# Altium PCB MOTHER_BOARD_LS1021_v1.0.PcbDoc (part 4 of 15)
Units mm, origin at the board's own origin, x right, y up, seen from the top; angles counter-clockwise.
Board outline 285 x 90.6 mm, 10 copper layers (TOP, GND1, SIGNAL1, GND+PWR1, POWER1, POWER2, GND+PWR2, SIGNAL2, GND2, BOTTOM), stack 1.739 mm thick; 1099 components, 832 nets, 4657 pads, 2737 vias.
Unrouted connection lines stored in the file: 7.
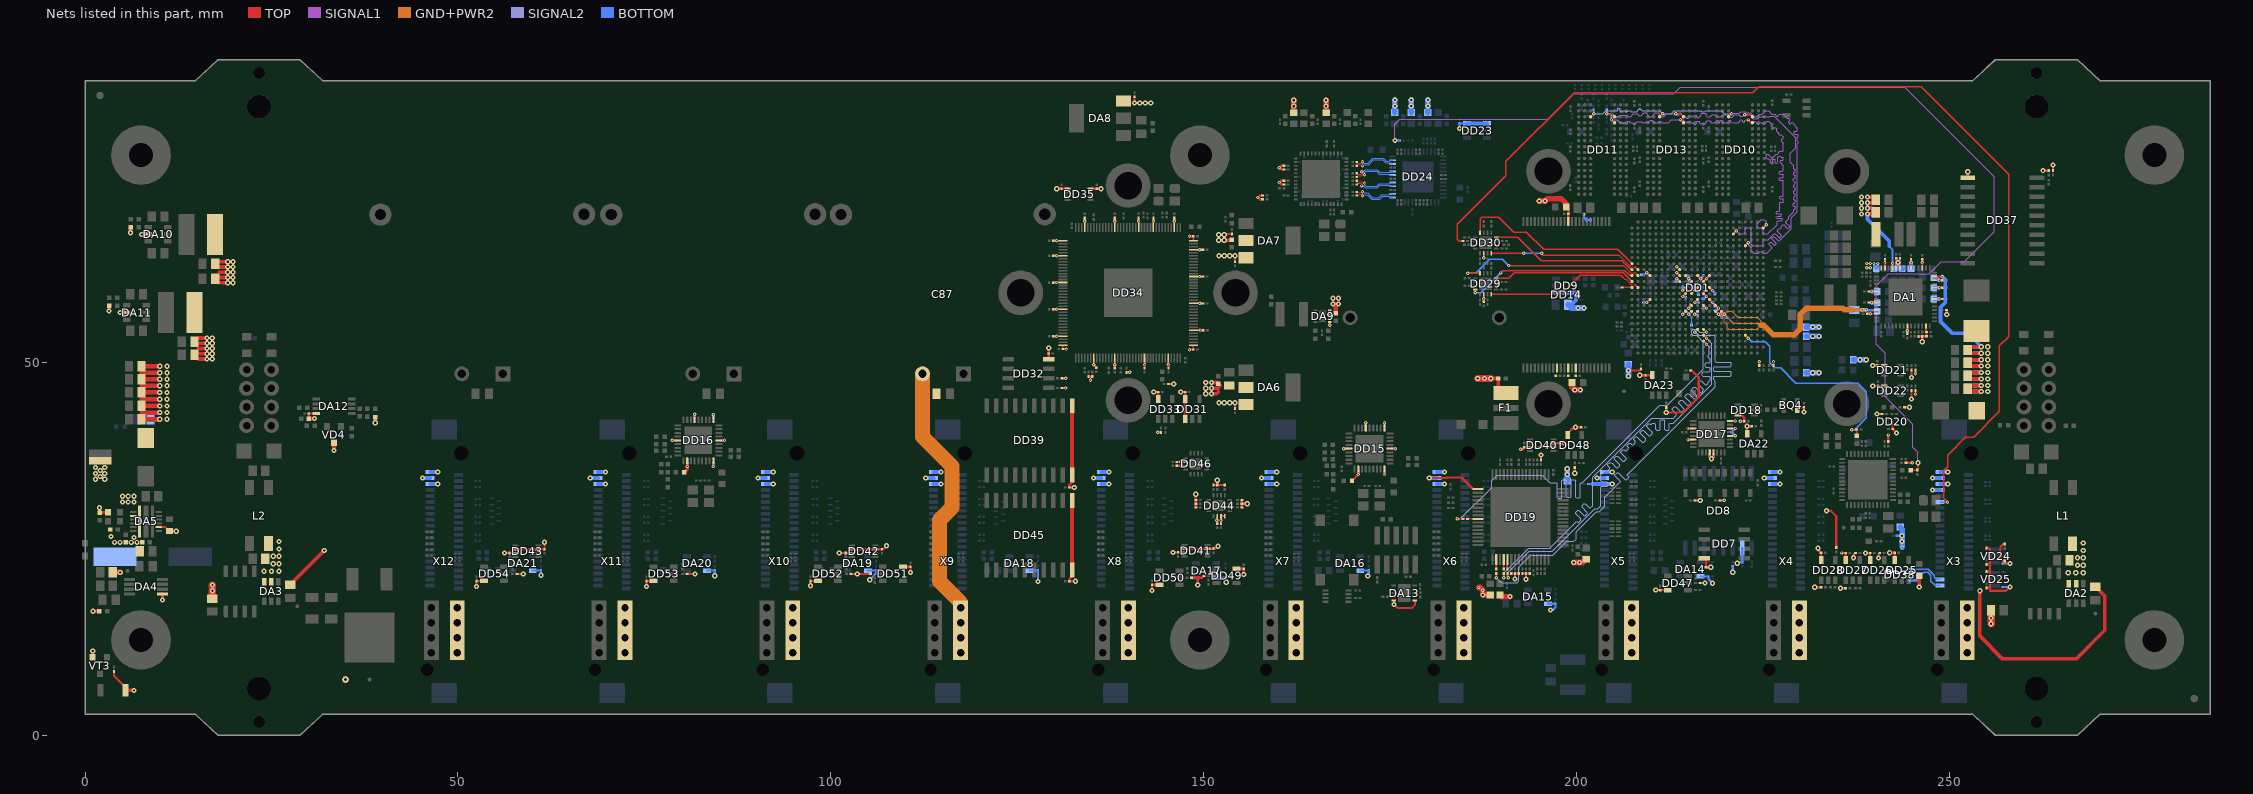
[diagram p12: the nets of this part, all layers, seen from the top]

## Via types
v1: diameter 0.45, hole 0.2, TOP to BOTTOM, tented both sides, 1587 vias
v2: diameter 0.7, hole 0.3, TOP to BOTTOM, tented both sides, 1134 vias
v3: diameter 0.45, hole 0.2, TOP to BOTTOM, tented bottom, 16 vias

## Nets (pads, with @x,y where several pads share a name; then routed paths per layer and width w, separated by ;. In a path a pad name is that pad's centre, name@x,y a point inside that pad or via, vN(x,y) a via of type N, cw(c..) or ccw(c..) an arc to the next point about the centre after c; other vN are vias at no path point) (continued)
+1V5: C75.2 C375.2 C378.2 C381.2 C384.2 C387.2 C393.2 C395.2 C398.2 DA7.2 DD34.32 DD34.37 DD34.72 DD34.75 DD34.82 DD34.105 DD34.109 DD34.144 R17.2 | length 11.9
  TOP w0.2: v1(130.275,66.325) DD34.109@131.125,66.325 ; C381.2@131.125,51.8 DD34.144@131.125,52.325 ; DD34.105@134.075,68.075 v1(134.075,68.925) ; DD34.82@143.275,68.075 v1(143.275,68.925) ; v1(145.275,49.725) DD34.32@145.275,50.575 ; DD34.75@146.075,68.075 v1(146.075,68.925) ; C375.2@148.625,51.725 DD34.37@148.625,52.325 ; DD34.72@148.625,66.325 C378.2@148.625,66.925
  TOP w0.3: C384.2@129.825,66.325 v1(130.275,66.325) ; C381.2@131.125,51.8 v1(131.6,51.8) ; v1(134.075,68.925) C398.2@134.075,69.375 ; v1(143.275,68.925) C393.2@143.275,69.375 ; C395.2@145.275,49.25 v1(145.275,49.725) ; v1(146.075,68.925) C387.2@146.075,69.375 ; v1(148.1,51.725) C375.2@148.625,51.725 ; v1(148.1,66.925) C378.2@148.625,66.925 ; v2(152.775,67.125) 152.875,67.225 R17.2@153.8,67.225
  TOP w0.5: v2(152.775,66.375) 153.75,66.375 C75.2@153.8,66.425
  other v2: 152.025,66.375 152.025,67.125
+1V8: C74.2 C302.1 C392.2 DA6.2 DD17.28 DD17.30 DD34.24 L32.1 R16.2 X3.33 | length 10.1
  TOP w0.2: v1(142.075,49.725) DD34.24@142.075,50.575
  TOP w0.3: C392.2@142.075,49.25 v1(142.075,49.725) ; DD17.28@220.6,40.15 v1(221.3,40.15) ; DD17.30@220.6,41.15 v1(221.3,41.15)
  TOP w0.5: v2(151.05,45.8) 151.75,45.8 151.975,46.025 ; v2(151.05,46.55) 151.975,46.55 ; v2(151.05,47.3) 151.825,47.3 C74.2@151.975,47.15 C74.2@152.225,46.9
  BOTTOM w0.3: v1(221.3,40.15) 220.85,40.6 C302.1@220.85,40.65 220.85,40.7 v1(221.3,41.15)
  BOTTOM w0.5: v2(247.75,32.9) X3.33@248.775,32.9
  BOTTOM w0.75: L32.1@177.85,83.525 v2(177.85,84.4) v2(177.85,85.2)
  other v2: 150.3,45.8 150.3,46.55 150.3,47.3
+2V5: C86.1 C89.1 C90.2 C91.2 C363.1 C366.1 C369.1 C370.1 C396.1 C399.1 C401.1 C511.1 C512.1 C513.1 C514.1 C515.1 C517.1 C519.1 C520.1 C521.1 C522.1 C523.1 C524.1 C525.1 C526.1 C527.1 C528.1 DA12.8 DD25.5 DD28.5 DD31.1 DD31.5 DD33.5 DD34.87 DD34.95 DD35.1 DD37.1 DD39.1 DD39.20 DD40.7 DD41.7 DD42.7 DD43.7 DD44.14 DD45.1 DD45.20 DD46.14 DD47.5 DD48.5 DD49.5 DD50.5 DD51.5 DD52.5 DD53.5 DD54.5 L10.2 L30.1 L31.1 L34.1 R5.2 R6.2 R25.1 R34.2 R65.1 R78.2 R216.1 R218.1 R220.1 R240.2 R243.2 R245.1 R268.1 R275.1 R283.1 R284.1 R285.1 R286.1 R287.1 R289.1 R297.1 R314.1 R320.2 R321.2 R322.2 R323.2 R324.2 R325.2 R326.2 R327.2 R328.1 R330.1 R332.1 R334.1 R347.1 R349.1 R351.1 R353.1 R371.1 VD4.3 X3.35 X4.35 X5.35 X6.35 X7.35 X8.35 X9.35 X10.35 X11.35 X12.35 | length 154.2
  TOP w0.2: DD34.95@138.075,68.075 v1(138.075,68.925) ; DD34.87@141.275,68.075 v1(141.275,68.925)
  TOP w0.25: v1(146.932,36.702) 146.984,36.65 DD46.14@147.6,36.65 ; v1(151.757,28.826) 151.825,28.894 DD44.14@151.825,29.4
  TOP w0.3: C91.2@30,42.475 C90.2@30,43.15 DA12.8@30.975,43.15 ; v2(52.5,19.95) C528.1@52.5,20.7 DD54.5@53.5,20.7 ; v2(56.25,24.45) C515.1@56.9,24.45 DD43.7@57.725,24.45 ; R353.1@57.925,21.65 v2(58.75,21.65) ; v2(75.3,19.95) C527.1@75.3,20.7 DD53.5@76.25,20.7 ; R351.1@80.7,21.65 v2(81.8,21.65) ; v2(97.3,20.05) C526.1@97.3,20.7 DD52.5@98.275,20.7 ; v2(101.15,24.45) C514.1@102.025,24.45 DD42.7@102.875,24.45 ; R349.1@102.7,21.65 v2(103.55,21.65) R347.1@105.3,21.65 ; DD51.5@109.675,22.6 C525.1@110.7,22.6 v2(110.7,21.825) ; v2(130.3,73.3) C401.1@130.95,73.3 DD35.1@131.75,73.3 ; DD45.20@132.365,22.175 132.365,21.34 132,20.975 C517.1@132,20.65 v2(132.825,20.65) ; DD39.20@132.365,34.9 132.365,33.94 131.975,33.55 C511.1@131.975,33.225 v2(132.65,33.225) ; v1(138.075,68.925) C396.1@138.075,69.375 ; R275.1@139.675,48.675 v1(140.1,48.675) ; v1(141.275,68.925) C399.1@141.275,69.375 ; v2(143.075,19.425) C524.1@143.075,20.175 DD50.5@144.075,20.175 ; v2(143.325,46.025) C369.1@143.925,46.025 DD33.5@143.925,45.1 ; v1(143.85,40.625) R268.1@144.3,40.625 ; v2(145.9,24.525) C513.1@146.55,24.525 DD41.7@147.425,24.525 ; C520.1@146.4,36.65 146.925,36.65 146.932,36.657 v1(146.932,36.702) ; v2(146.925,46.025) C370.1@147.55,46.025 DD31.5@147.55,45.1 ; R334.1@148.4,21.125 149.225,21.125 ; R314.1@148.95,30.55 v2(148.95,32.325) ; v2(149.225,20.15) 149.225,21.125 ; R332.1@150.05,21.375 149.8,21.125 149.225,21.125 ; R325.2@151.325,33.575 R324.2@151.825,33.575 ; v1(151.757,28.826) 151.824,28.826 151.825,28.825 C519.1@151.825,28.375 ; v2(151.825,34.2) R324.2@151.825,33.575 ; R323.2@152.825,33.575 R324.2@151.825,33.575 ; DD49.5@154.425,22.325 C523.1@155.375,22.325 v2(155.375,21.55) ; R320.2@155.125,30.55 R321.2@155.125,31.05 ; R322.2@155.125,31.55 R321.2@155.125,31.05 ; v2(155.85,31.05) R321.2@155.125,31.05 ; R289.1@157.875,71.875 157.525,71.875 v1(157.275,72.125) 157.525,72.375 R287.1@157.875,72.375 ; R283.1@160.75,73.875 160.4,73.875 v1(160.15,74.125) 160.4,74.375 R284.1@160.75,74.375 ; R285.1@160.75,75.875 160.4,75.875 v1(160.15,76.125) 160.4,76.375 R286.1@160.75,76.375 ; DD40.7@196.9,39.175 C512.1@197.775,39.175 ; C512.1@197.775,39.175 v1(198.201,39.175) ; DD48.5@198.825,40.275 198.825,40.5 199.548,41.223 199.798,41.223 v2(199.875,41.3) C522.1@200.625,41.3 ; v2(199.775,35.15) R330.1@199.775,35.925 ; v2(210.625,19.475) C521.1@211.25,19.475 DD47.5@212.25,19.475 ; R65.1@215.875,31.5 v2(216.6,31.5) ; R328.1@216.55,20.425 v2(217.225,20.425) ; v2(231.945,19.845) R245.1@232.816,19.845 ; v2(232.4,25.075) 232.4,24.862 C366.1@232.791,24.47 DD28.5@232.791,23.509 ; v2(237.15,23.8) 237.15,24.2 R243.2@237.4,24.45 ; v2(240.3,43.1) R220.1@241,43.1 ; v2(240.5,23.775) 240.5,24.275 R240.2@240.675,24.45 ; v2(242,24.475) C363.1@242.675,24.475 DD25.5@242.675,23.5 ; v2(244.925,45.1) R218.1@244.925,46.25 ; v2(244.925,48) R216.1@244.925,49 ; DD37.1@252.475,74.765 v2(252.475,75.575) ; v2(262.575,75.725) R297.1@263.325,75.725
  TOP w0.5: v2(3.225,56.9) R34.2@3.225,57.625 ; C86.1@15.225,50.475 v2(16.35,50.475) ; C86.1@15.225,51.175 v2(16.35,51.175) ; 15.225,51.875 v2(16.35,51.875) ; C89.1@15.225,52.575 v2(16.35,52.575) ; C89.1@15.225,53.275 v2(16.35,53.275) ; R6.2@27.5,20.2 v2(32.075,24.775) ; C91.2@30,42.475 v2(30.75,42.475) ; v2(33.375,38.2) VD4.3@33.375,39.225 ; v2(38.9,41.925) R25.1@38.9,42.675 ; DD45.20@132.365,22.175 DD45.1@132.365,31.475 ; DD39.20@132.365,34.9 DD39.1@132.365,44.2 ; DD31.1@147.55,42.4 DD31.5@147.55,45.1 ; v1@198.191,39.15 198.291,39.05 v1(198.675,39.05) ; v2(254.1,19.387) 254.1,13.3 257.15,10.25 267.025,10.25 270.85,14.075 270.85,18.675 R5.2@269.6,19.925
  TOP w0.75: L34.1@162.075,83.5 v2(162.075,84.375) v2(162.075,85.175)
  BOTTOM w0.3: R371.1@201.6,33.7 202.025,33.7 ; v2(220.95,21.875) R78.2@220.95,22.65
  BOTTOM w0.5: X12.35@46.275,33.7 v2(47.3,33.7) ; X11.35@68.775,33.7 v2(69.8,33.7) ; X10.35@91.275,33.7 v2(92.3,33.7) ; X9.35@113.775,33.7 v2(114.8,33.7) ; X8.35@136.275,33.7 v2(137.3,33.7) ; X7.35@158.775,33.7 v2(159.8,33.7) ; X6.35@181.275,33.7 v2(182.3,33.7) ; 202.149,33.701 X5.35@203.775,33.7 v2(204.8,33.7) ; X4.35@226.275,33.7 v2(227.3,33.7) ; X3.35@248.775,33.7 v2(249.8,33.7)
  BOTTOM w0.75: L31.1@175.65,83.525 v2(175.65,84.4) v2(175.65,85.2) ; L30.1@180.075,83.525 v2(180.075,84.4) v2(180.075,85.2)
  other v2: 17.05,50.475 17.05,51.175 17.05,51.875 17.05,52.575 17.05,53.275
+3V3: BQ4.4 C1.2 C2.2 C7.1 C8.2 C9.2 C10.2 C11.2 C12.2 C13.2 C16.2 C17.2 C18.2 C19.2 C20.1 C21.2 C22.2 C23.2 C24.2 C41.2 C42.2 C43.2 C67.1 C69.1 C70.2 C72.1 C73.2 C130.2 C144.2 C170.2 C179.2 C190.2 C208.1 C210.1 C213.2 C265.2 C266.2 C267.2 C268.2 C269.2 C270.2 C279.1 C280.1 C281.1 C282.1 C283.1 C284.1 C285.1 C286.1 C287.1 C288.1 C291.1 C292.1 C304.2 C305.1 C308.2 C310.2 C364.1 C365.1 C367.2 C368.1 C374.2 C377.2 C380.2 C383.2 C386.2 C389.2 C391.2 C394.2 C397.2 C400.2 C505.2 C516.1 C518.1 C529.1 DA1.7 DA1.10 DA1.12 DA1.17 DA1.20 DA1.23 DA1.24 DA1.27 DA1.34 DA1.37 DA1.40 DA1.50 DA1.55 DA10.5 DA11.5 DA13.1 DA13.10 DD1.J13 DD1.J14 DD1.J15 DD1.K8 DD1.L8 DD1.L9 DD7.8 DD8.2 DD9.1 DD9.5 DD14.12 DD14.34 DD14.37 DD14.39 DD15.5 DD15.10 DD15.15 DD15.23 DD15.29 DD15.36 DD16.5 DD16.10 DD16.15 DD16.23 DD16.29 DD16.36 DD17.20 DD17.21 DD18.5 DD19.49 DD26.5 DD27.5 DD29.14 DD30.14 DD32.8 DD34.7 DD34.14 DD34.42 DD34.51 DD34.60 DD34.69 DD34.114 DD34.123 DD34.132 DD34.141 DD35.8 DD38.8 DD44.15 DD44.16 DD46.15 L7.2 L13.2 L17.1 L26.1 L27.1 L28.1 L29.1 L35.1 R1.2 R2.2 R3.1 R4.2 R14.2 R47.2 R54.2 R64.1 R125.1 R126.1 R161.1 R162.1 R173.2 R174.1 R177.2 R179.1 R197.2 R198.2 R199.2 R203.1 R204.1 R206.1 R208.1 R217.1 R219.1 R221.1 R238.1 R239.1 R270.1 R271.1 R272.1 R273.1 R278.2 R291.1 R292.1 R293.1 R294.1 R295.1 R296.1 R298.1 VD24.5 VD25.5 X3.37 X4.37 X5.37 X6.37 X7.37 X8.37 X9.37 X10.37 X11.37 X12.37 | length 204.5
  TOP w0.2: v1(130.275,53.525) DD34.141@131.125,53.525 ; v1(130.275,57.125) DD34.132@131.125,57.125 ; v1(130.275,60.725) DD34.123@131.125,60.725 ; v1(130.275,64.325) DD34.114@131.125,64.325 ; v1(135.275,49.7) DD34.7@135.275,50.575 ; v1(138.075,49.7) DD34.14@138.075,50.575 ; DD34.42@148.625,54.325 v1@149.5,54.325 ; DD34.51@148.625,57.925 v1(149.475,57.925) ; DD34.60@148.625,61.525 v1(149.475,61.525) ; DD34.69@148.625,65.125 v1(149.475,65.125)
  TOP w0.25: v1(78.75,39.55) DD16.23@79.5,39.55 ; v1(80.75,36.05) DD16.29@80.75,36.8 ; DD16.15@81.75,42.3 v1(81.75,43.05) ; v1(84.25,36.05) DD16.36@84.25,36.8 ; DD16.10@84.25,42.3 v1(84.25,43) ; DD16.5@85,39.55 v1(85.75,39.55) ; v1(147.025,36.15) DD46.15@147.6,36.15 ; v1(152.325,28.825) DD44.15@152.325,29.4 DD44.16@152.825,29.4 ; v1(168.775,38.45) DD15.23@169.5,38.45 ; v1(170.75,34.975) DD15.29@170.75,35.7 ; DD15.15@171.75,41.2 v1(171.75,41.925) ; v1(174.25,34.975) DD15.36@174.25,35.7 ; DD15.10@174.25,41.2 v1(174.25,41.925) ; DD15.5@175,38.45 v1(175.725,38.45) ; DA13.10@175.525,18.075 v2(175.525,17.55) 176.025,17.05 177.9,17.05 178.325,17.475 DA13.1@178.325,18.075 ; v1(187.575,58.575) DD29.14@187.575,59.15 ; v1(187.575,64.05) DD30.14@187.575,64.625 ; v1(239.425,56.525) DA1.40@240.25,56.525 ; v1(239.625,58.025) DA1.37@240.25,58.025 ; v1(239.625,59.525) DA1.34@240.25,59.525 ; DA1.27@241.375,62.65 v1(241.375,63.4) ; DA1.24@242.875,62.65 242.875,63.1 243.125,63.35 v2(243.125,63.4) 243.375,63.15 DA1.23@243.375,62.65 ; v1(244.375,54.275) DA1.50@244.375,54.9 ; DA1.20@244.875,62.65 v1(244.875,63.4) ; DA1.17@246.375,62.65 v1(246.375,63.4) ; DA1.55@246.875,54.9 246.875,54.15 C20.1@246.95,54.075 ; DA1.7@248,58.525 v1(248.625,58.525) ; DA1.10@248,60.025 v1(248.625,60.025) ; DA1.12@248,61.025 v1(248.625,61.025)
  TOP w0.3: DD32.8@129.225,50.405 C368.1@129.225,51.2 v2(129.225,51.95) ; C394.2@129.825,53.525 v1(130.275,53.525) ; C391.2@129.825,57.125 v1(130.275,57.125) ; C389.2@129.825,60.725 v1(130.275,60.725) ; C386.2@129.825,64.325 v1(130.275,64.325) ; R271.1@131,46.575 v1(131.5,46.575) ; R270.1@131,47.875 v1(131.5,47.875) ; R273.1@134.575,48.1 134.825,48.1 ; v1(134.825,47.6) 134.825,48.1 ; DD35.8@134.85,73.3 v2(136.25,73.3) ; R272.1@135.075,48.1 134.825,48.1 ; v1(135.275,49.7) 135.6,49.375 C400.2@135.6,49.3 ; C397.2@138.075,49.25 v1(138.075,49.7) ; R278.2@145.3,47.1 v2(146,47.1) ; C518.1@146.4,36.15 v1(147.025,36.15) ; v1(149.475,57.925) C377.2@149.925,57.925 ; v1(149.475,61.525) C380.2@149.925,61.525 ; v1(149.475,65.125) C383.2@149.925,65.125 ; v1(149.525,54.325) C374.2@149.975,54.325 ; C516.1@152.325,28.375 v1(152.325,28.825) ; R161.1@169.9,34.15 169.925,34.15 v1(170.75,34.975) ; v2(180.25,34.5) 182.599,34.5 182.674,34.575 184.575,34.575 186.125,33.025 DD19.49@186.8,33.025 ; C367.2@187.575,58.125 v1(187.575,58.575) ; R199.2@191.25,21.7 R198.2@191.75,21.7 ; v2(191.75,20.975) R198.2@191.75,21.7 ; R197.2@192.25,21.7 R198.2@191.75,21.7 ; R206.1@192.75,21.7 R204.1@193.25,21.7 ; v2(193.25,20.925) R204.1@193.25,21.7 ; R208.1@193.75,21.7 R204.1@193.25,21.7 ; R203.1@195.25,36.925 v2(195.25,37.6) ; C269.2@198.65,70.85 198.925,70.575 C267.2@198.925,69.95 198.9,69.925 DD14.12@198.9,68.9 ; v2(206.975,48.925) 208.425,48.925 R177.2@208.65,49.15 ; R173.2@212.05,43.975 v2(212.05,43.3) 214.325,43.3 216.4,45.375 216.4,47.975 215.45,48.925 R174.1@215.275,48.925 ; v1(213.45,61.25) DD1.J13@213.85,60.85 ; v1(213.45,62.05) DD1.J14@213.85,61.65 ; v1(213.45,62.85) DD1.J15@213.85,62.45 ; v1(214.25,56.45) DD1.K8@214.65,56.85 ; v1(215.05,56.45) DD1.L8@215.45,56.85 ; v1(215.05,57.25) DD1.L9@215.45,57.65 ; DD7.8@217.125,23.77 217.375,23.52 C210.1@217.375,22.55 v2(218,22.55) ; DD17.20@217.875,37.925 217.875,37.325 v2(218.125,37.075) 218.375,37.325 DD17.21@218.375,37.925 ; R64.1@219.225,31.5 v1(219.8,31.5) ; DD18.5@221.675,42.975 222.125,42.975 222.5,42.6 C308.2@222.5,42.125 v1(221.95,42.125) ; BQ4.4@229.625,43.65 229.95,43.975 C310.2@230.525,43.975 v2(230.525,43.35) ; v2(235.425,19.725) R239.1@236.1,19.725 ; v1(235.6,24.45) C365.1@236.1,24.45 DD27.5@236.1,23.5 ; v2(238.775,24.45) C364.1@239.4,24.45 239.375,24.425 DD26.5@239.375,23.5 ; C43.2@238.975,56.525 v1(239.425,56.525) ; C18.2@239.175,58.025 v1(239.625,58.025) ; C10.2@239.175,59.525 v1(239.625,59.525) ; v1(241.375,63.4) C42.2@241.375,63.85 ; R54.2@241.8,39.425 v1(241.8,40.275) ; C17.2@242.875,63.95 242.875,63.65 v2(243.125,63.4) 243.375,63.65 C9.2@243.375,63.95 ; R221.1@243.975,44 v2(244.675,44) ; R47.2@244.175,36.55 v1(245.025,36.55) ; C7.1@244.375,53.825 v1(244.375,54.275) ; v1(244.875,63.4) C19.2@244.875,63.85 ; v1(245.475,45.725) R219.1@245.475,46.25 ; v1(245.475,48.5) R217.1@245.475,49 ; R2.2@245.875,53.5 R4.2@246.375,53.5 ; v2(246.375,52.775) R4.2@246.375,53.5 ; v1(246.375,63.4) C41.2@246.375,63.85 ; C20.1@246.95,54.075 246.95,53.525 R1.2@246.925,53.5 R4.2@246.375,53.5 ; v1(248.625,58.525) C1.2@249.075,58.525 ; v1(248.625,60.025) C8.2@249.075,60.025 ; v1(248.625,61.025) C16.2@249.075,61.025 ; v2(249.65,56.425) R3.1@249.65,57.025 ; R295.1@254.975,19.775 255.45,19.775 ; R296.1@254.975,22 255.45,22 ; R291.1@254.975,25.125 255.3,25.125 255.45,24.975 255.45,22.925 ; R292.1@255,22.925 255.45,22.925 ; R294.1@257.425,25.625 257.2,25.625 256.875,25.3 256.875,23.65 257.125,23.4 R293.1@257.425,23.4 257.8,23.025 v2(258.125,23.025) ; v2(258.125,19.9) 257.6,19.375 255.475,19.375 255.45,19.4 255.45,19.775 ; R298.1@263.925,75.725 v2(263.925,76.475) ; 255.45,19.775 255.45,22 ; 255.45,22 255.45,22.925
  TOP w0.5: v2(4.7,56.7) DA11.5@5.6,56.7 ; v2(7.6,67.175) DA10.5@8.5,67.175 ; R162.1@80.325,35.25 80.75,35.675 v1(80.75,36.05) ; v2(245.975,19.875) R238.1@245.975,21.35
  TOP w0.6: C67.1@7.575,42.375 v2(10.025,42.375) ; 7.575,43.275 v2(10.025,43.275) ; C69.1@7.575,44.175 v2(10.025,44.175) ; 7.575,45.075 v2(10.025,45.075) ; C70.2@7.575,45.975 v2(10.025,45.975) ; 7.575,46.875 v2(10.025,46.875) ; C72.1@7.575,47.75 v2(10.025,47.75) ; 7.575,48.625 v2(10.025,48.625) ; C73.2@7.575,49.5 v2(10.025,49.5)
  TOP w0.75: L35.1@166.425,83.5 v2(166.425,84.375) v2(166.425,85.175) ; v1(186.9,19.825) 187.075,19.825 v1(187.45,19.45) v2(187.45,18.825) 187.95,18.825 L29.1@188.45,18.825 ; L27.1@189.75,18.825 189.975,18.6 v2(191.075,18.6) ; v2(195.025,71.65) v2(195.8,71.65) 196.125,71.975 197.95,71.975 198.65,71.275 C269.2@198.65,70.85 ; C270.2@199.4,47.325 199.4,46.7 v2(199.775,46.325) v2(200.525,46.325) ; v2(199.65,23.175) v2(200.425,23.175) 200.85,23.175 L26.1@201.3,23.625
  BOTTOM w0.14: v1(215.05,56.45) 215.445,56.055 215.445,54.995 R179.1@215.425,54.975
  BOTTOM w0.3: v1(78.75,39.55) C280.1@79.225,39.55 ; v1(80.75,36.05) C288.1@80.75,36.525 ; C282.1@81.75,42.575 v1(81.75,43.05) ; v1(84.25,36.05) C292.1@84.25,36.525 ; C286.1@84.25,42.575 v1@84.25,43.05 ; C284.1@85.275,39.55 v1(85.75,39.55) ; v1(168.775,38.45) C279.1@169.225,38.45 ; v1(170.75,34.975) C291.1@170.75,35.425 ; C281.1@171.75,41.475 v1(171.75,41.925) ; v1(174.25,34.975) C287.1@174.25,35.425 ; C283.1@174.25,41.475 v1(174.25,41.925) ; C285.1@175.275,38.45 v1(175.725,38.45) ; v1(201.01,69.853) 201.01,69.44 R125.1@201.35,69.1 R126.1@201.9,69.1 ; C144.2@213.35,60.825 213.45,60.925 v1(213.45,61.25) ; C179.2@214.625,56.975 215.05,56.55 v1(215.05,56.45) ; v1(215.05,57.25) 215.225,57.425 C170.2@215.225,57.7 ; C304.2@217.875,37.675 217.875,37.325 v2(218.125,37.075) 218.375,37.325 C305.1@218.375,37.675 ; v2(221.575,23.075) 221.725,23.225 C208.1@222.225,23.225 DD8.2@222.225,25.1 ; C190.2@242.975,26.75 v2(243.675,26.75) v2@243.75,26.75 ; DD38.8@244.925,20.8 245.75,20.8 C505.2@245.775,20.775 245.975,20.575 v2(245.975,19.875) ; VD25.5@257.3,19.9 v2(258.125,19.9) ; VD24.5@257.3,23.025 v2(258.125,23.025)
  BOTTOM w0.5: v2(45.25,34.5) X12.37@46.275,34.5 ; v2(67.75,34.5) X11.37@68.775,34.5 ; v2(90.25,34.5) X10.37@91.275,34.5 ; v2(112.75,34.5) X9.37@113.775,34.5 ; v2(135.25,34.5) X8.37@136.275,34.5 ; v2(157.75,34.5) X7.37@158.775,34.5 ; v2(180.25,34.5) X6.37@181.275,34.5 ; DD9.1@197.25,59.325 DD9.5@199.95,59.325 199.95,58.375 199.325,57.75 C130.2@198.875,57.75 ; v2(202.75,34.5) X5.37@203.775,34.5 ; v2(225.175,34.5) X4.37@226.275,34.5 ; v1(239.625,58.025) C23.2@240.35,58.025 ; v1(239.625,59.525) C13.2@240.35,59.525 ; C24.2@244.875,62.55 v1(244.875,63.4) ; v2(247.75,34.5) X3.37@248.775,34.5 ; C2.2@247.9,58.525 v1(248.625,58.525) ; C11.2@247.9,60.025 v1(248.625,60.025) ; C21.2@247.9,61.35 248.3,61.35 v1(248.625,61.025)
  BOTTOM w0.6: R14.2@8.775,42.375 v2(10.025,42.375)
  BOTTOM w0.75: L28.1@198.775,34.1 v2(198.775,34.975) v2(198.775,35.75) ; C130.2@198.875,57.75 199.325,57.3 v2(200.225,57.3) v2(201,57.3) ; v2(206.975,48.15) v2(206.975,48.925) L13.2@206.975,49.775 ; C22.2@242.55,62.55 243.125,62.55 ; v2(243.125,63.4) 243.125,62.55 ; L17.1@243.4,27.925 243.675,27.65 v2(243.675,26.75) v2(243.675,26) v1(243.675,25.25) ; C12.2@243.7,62.55 243.125,62.55
  other v2: 10.975,42.375 10.975,43.275 10.975,44.175 10.975,45.075 10.975,45.975 10.975,46.875 10.975,47.75 10.975,48.625 10.975,49.5
+3V3_SYS: C107.2 DD1.M8 | length 1
  TOP w0.3: v1(215.85,56.45) DD1.M8@216.25,56.85
  BOTTOM w0.3: v1(215.85,56.45) 216.15,56.45 C107.2@216.275,56.325
+5V: C63.1 C64.1 C65.1 C66.2 C85.1 C88.1 C271.1 C272.1 C273.1 C274.1 C275.1 C276.1 C277.1 C278.1 C301.1 C306.1 C321.2 DA6.3 DA7.3 DA8.3 DA9.5 DA9.7 DA9.8 DA14.5 DA15.5 DA16.5 DA17.5 DA18.5 DA19.5 DA20.5 DA21.5 DA22.5 DA23.5 F1.1 L9.2 R32.2 R242.1 X3.39 X4.39 X5.39 X6.39 X7.39 X8.39 X9.39 X10.39 X11.39 X12.39 | length 52.9
  TOP w0.3: v2(140.725,84.8) C65.1@140.725,85.625 ; C63.1@154.225,43.825 v2(154.225,44.6) ; C64.1@154.225,63.525 v2(154.225,64.3) ; v1(166.9,55) DA9.5@166.9,55.45 ; v2(208.5,48.3) C306.1@209.25,48.3 DA23.5@210.15,48.3 ; DA22.5@222.875,40.45 v2(222.875,41.45) C301.1@223.5,41.45 ; v2(233.525,30.125) 234.1,30.125 234.85,29.375 R242.1@234.85,25.2
  TOP w0.5: v2(6.1,67.4) R32.2@6.1,68.125 ; C85.1@18,60.7 v2(19.125,60.7) ; C85.1@18,61.4 v2(19.125,61.4) ; 18,62.1 v2(19.125,62.1) ; C88.1@18,62.8 v2(19.125,62.8) ; C88.1@18,63.5 v2(19.125,63.5) ; v2(188.5,47.85) C321.2@189.5,47.85 189.5,45.925 F1.1@190.55,45.925
  TOP w0.6: v2(167.35,57.85) 167.725,57.85 C66.2@167.725,56.625
  TOP w1: v2(186.75,47.85) v2(187.675,47.85) v2(188.5,47.85)
  BOTTOM w0.3: DA21.5@60.025,22.1 C278.1@61.125,22.1 v2(61.125,21.475) ; DA20.5@83.425,22.1 C277.1@84.45,22.1 v2(84.45,21.4) ; DA19.5@104.975,22.1 C276.1@106.05,22.1 106.05,21.675 v2(105.225,20.85) ; DA18.5@126.65,22.1 C275.1@127.775,22.1 v2(127.775,20.625) ; DA17.5@151.7,21.15 C274.1@152.95,21.15 153.05,21.05 v2(153.05,20.525) ; DA16.5@171,22.1 C273.1@172.15,22.1 172.15,21.475 v2(172.025,21.35) ; DA15.5@196.175,17.65 C272.1@197.175,17.65 197.175,17.125 196.85,16.8 v2(196.525,16.8) ; DA14.5@216.625,21.3 C271.1@217.7,21.3 217.7,20.95 v2(218.25,20.4)
  BOTTOM w0.5: X12.39@46.275,35.3 v2(47.3,35.3) ; X11.39@68.775,35.3 v2(69.8,35.3) ; X10.39@91.275,35.3 v2(92.3,35.3) ; X9.39@113.775,35.3 v2(114.8,35.3) ; X8.39@136.275,35.3 v2(137.3,35.3) ; X7.39@158.775,35.3 v2(159.8,35.3) ; X6.39@181.275,35.3 v2(182.3,35.3) ; X5.39@203.775,35.3 v2(204.8,35.3) ; X4.39@226.275,35.3 v2(227.3,35.3) ; X3.39@248.775,35.3 v2(249.8,35.3)
  other v2: 152.05,44.6 152.775,44.6 153.5,44.6 168.1,57.85 167.35,58.6 168.1,58.6 19.825,60.7 19.825,61.4 19.825,62.1 19.825,62.8 19.825,63.5 152.05,64.3 152.775,64.3 153.5,64.3 141.45,84.8 142.175,84.8 142.9,84.8
+CPU_VDD: C28.2 C32.2 C37.2 C44.2 C47.2 C49.2 C116.2 C117.1 C123.2 C124.1 C137.2 C138.1 C151.2 C152.1 C164.2 C165.1 C177.2 C178.1 C186.2 C187.1 DA1.13 DD1.K12 DD1.K14 DD1.L11 DD1.L13 DD1.M12 DD1.M14 DD1.N9 DD1.N11 DD1.N13 DD1.P12 DD1.P14 L3.2 L14.2 | length 47.4
  TOP w0.25: DA1.13@248,61.525 v1(249.05,61.525)
  TOP w0.3: v1(214.25,59.65) DD1.K12@214.65,60.05 ; DD1.K14@214.65,61.65 v1(215.05,61.25) DD1.L13@215.45,60.85 ; DD1.L11@215.45,59.25 v1(215.85,59.65) DD1.M12@216.25,60.05 ; DD1.M14@216.25,61.65 v1(216.65,61.25) ; DD1.N9@217.05,57.65 v1(217.45,57.25) ; DD1.N11@217.05,59.25 v1(217.45,58.85) ; DD1.N13@217.05,60.85 v1(217.45,61.25) DD1.P14@217.85,61.65 ; DD1.P12@217.85,60.05 v1(218.25,59.65)
  TOP w0.5: C178.1@252.9,46.1 v2(254.275,46.1) ; C178.1@252.9,46.925 v2(254.275,46.925) ; C28.2@252.9,47.8 v2(254.275,47.8) ; C28.2@252.9,48.65 v2(254.275,48.65) ; C32.2@252.9,49.525 v2(254.275,49.525) ; C32.2@252.9,50.375 v2(254.275,50.375) ; C37.2@252.9,51.25 v2(254.275,51.25) ; C37.2@252.9,52.1 v2(254.275,52.1)
  BOTTOM w0.3: v1(214.25,59.65) C152.1@214.25,60.175 ; C165.1@214.95,61.675 215.05,61.575 v1(215.05,61.25) C151.2@215.05,60.725 ; C117.1@215.85,60.175 v1(215.85,59.65) 216.275,59.65 C123.2@216.375,59.55 C137.2@216.375,59.05 ; C164.2@216.425,61.675 216.425,61.475 v1(216.65,61.25) 216.975,61.575 C177.2@216.975,61.7 ; C138.1@216.925,57.25 v1(217.45,57.25) ; C116.2@216.925,58.55 217.15,58.55 v1(217.45,58.85) ; v1(218.25,59.65) 218.525,59.375 C124.1@218.525,59.1
  BOTTOM w0.5: v1(249.05,61.525) 249.45,61.125 249.45,58.025 248.825,57.4 248.825,55.5 250.425,53.9 252.475,53.9 v2(254.275,52.1) 253.265,52.1 ; 253.265,46.1 v2(254.275,46.1) ; 253.265,46.925 v2(254.275,46.925) ; 253.265,47.8 v2(254.275,47.8) ; 253.265,48.65 v2(254.275,48.65) ; 253.265,49.525 v2(254.275,49.525) ; 253.265,50.375 v2(254.275,50.375) ; 253.265,51.25 v2(254.275,51.25)
  BOTTOM w0.75: L14.2@237.125,50.35 v2(238.025,50.35) v2(238.85,50.35)
  other v2: 255.15,46.1 255.15,46.925 255.15,47.8 255.15,48.65 255.15,49.525 255.15,50.375 255.15,51.25 255.15,52.1